# Altium PCB P22296-1-DES-1.2.PcbDoc (part 4 of 5)
Units mm, origin at the board's own origin, x right, y up, seen from the top; angles counter-clockwise.
Board outline 77.01 x 108 mm, 6 copper layers (Top Layer, Layer 1, Layer 2, Layer 3, Layer 4, Bottom Layer), stack 1.821 mm thick; 445 components, 260 nets, 1371 pads, 965 vias.
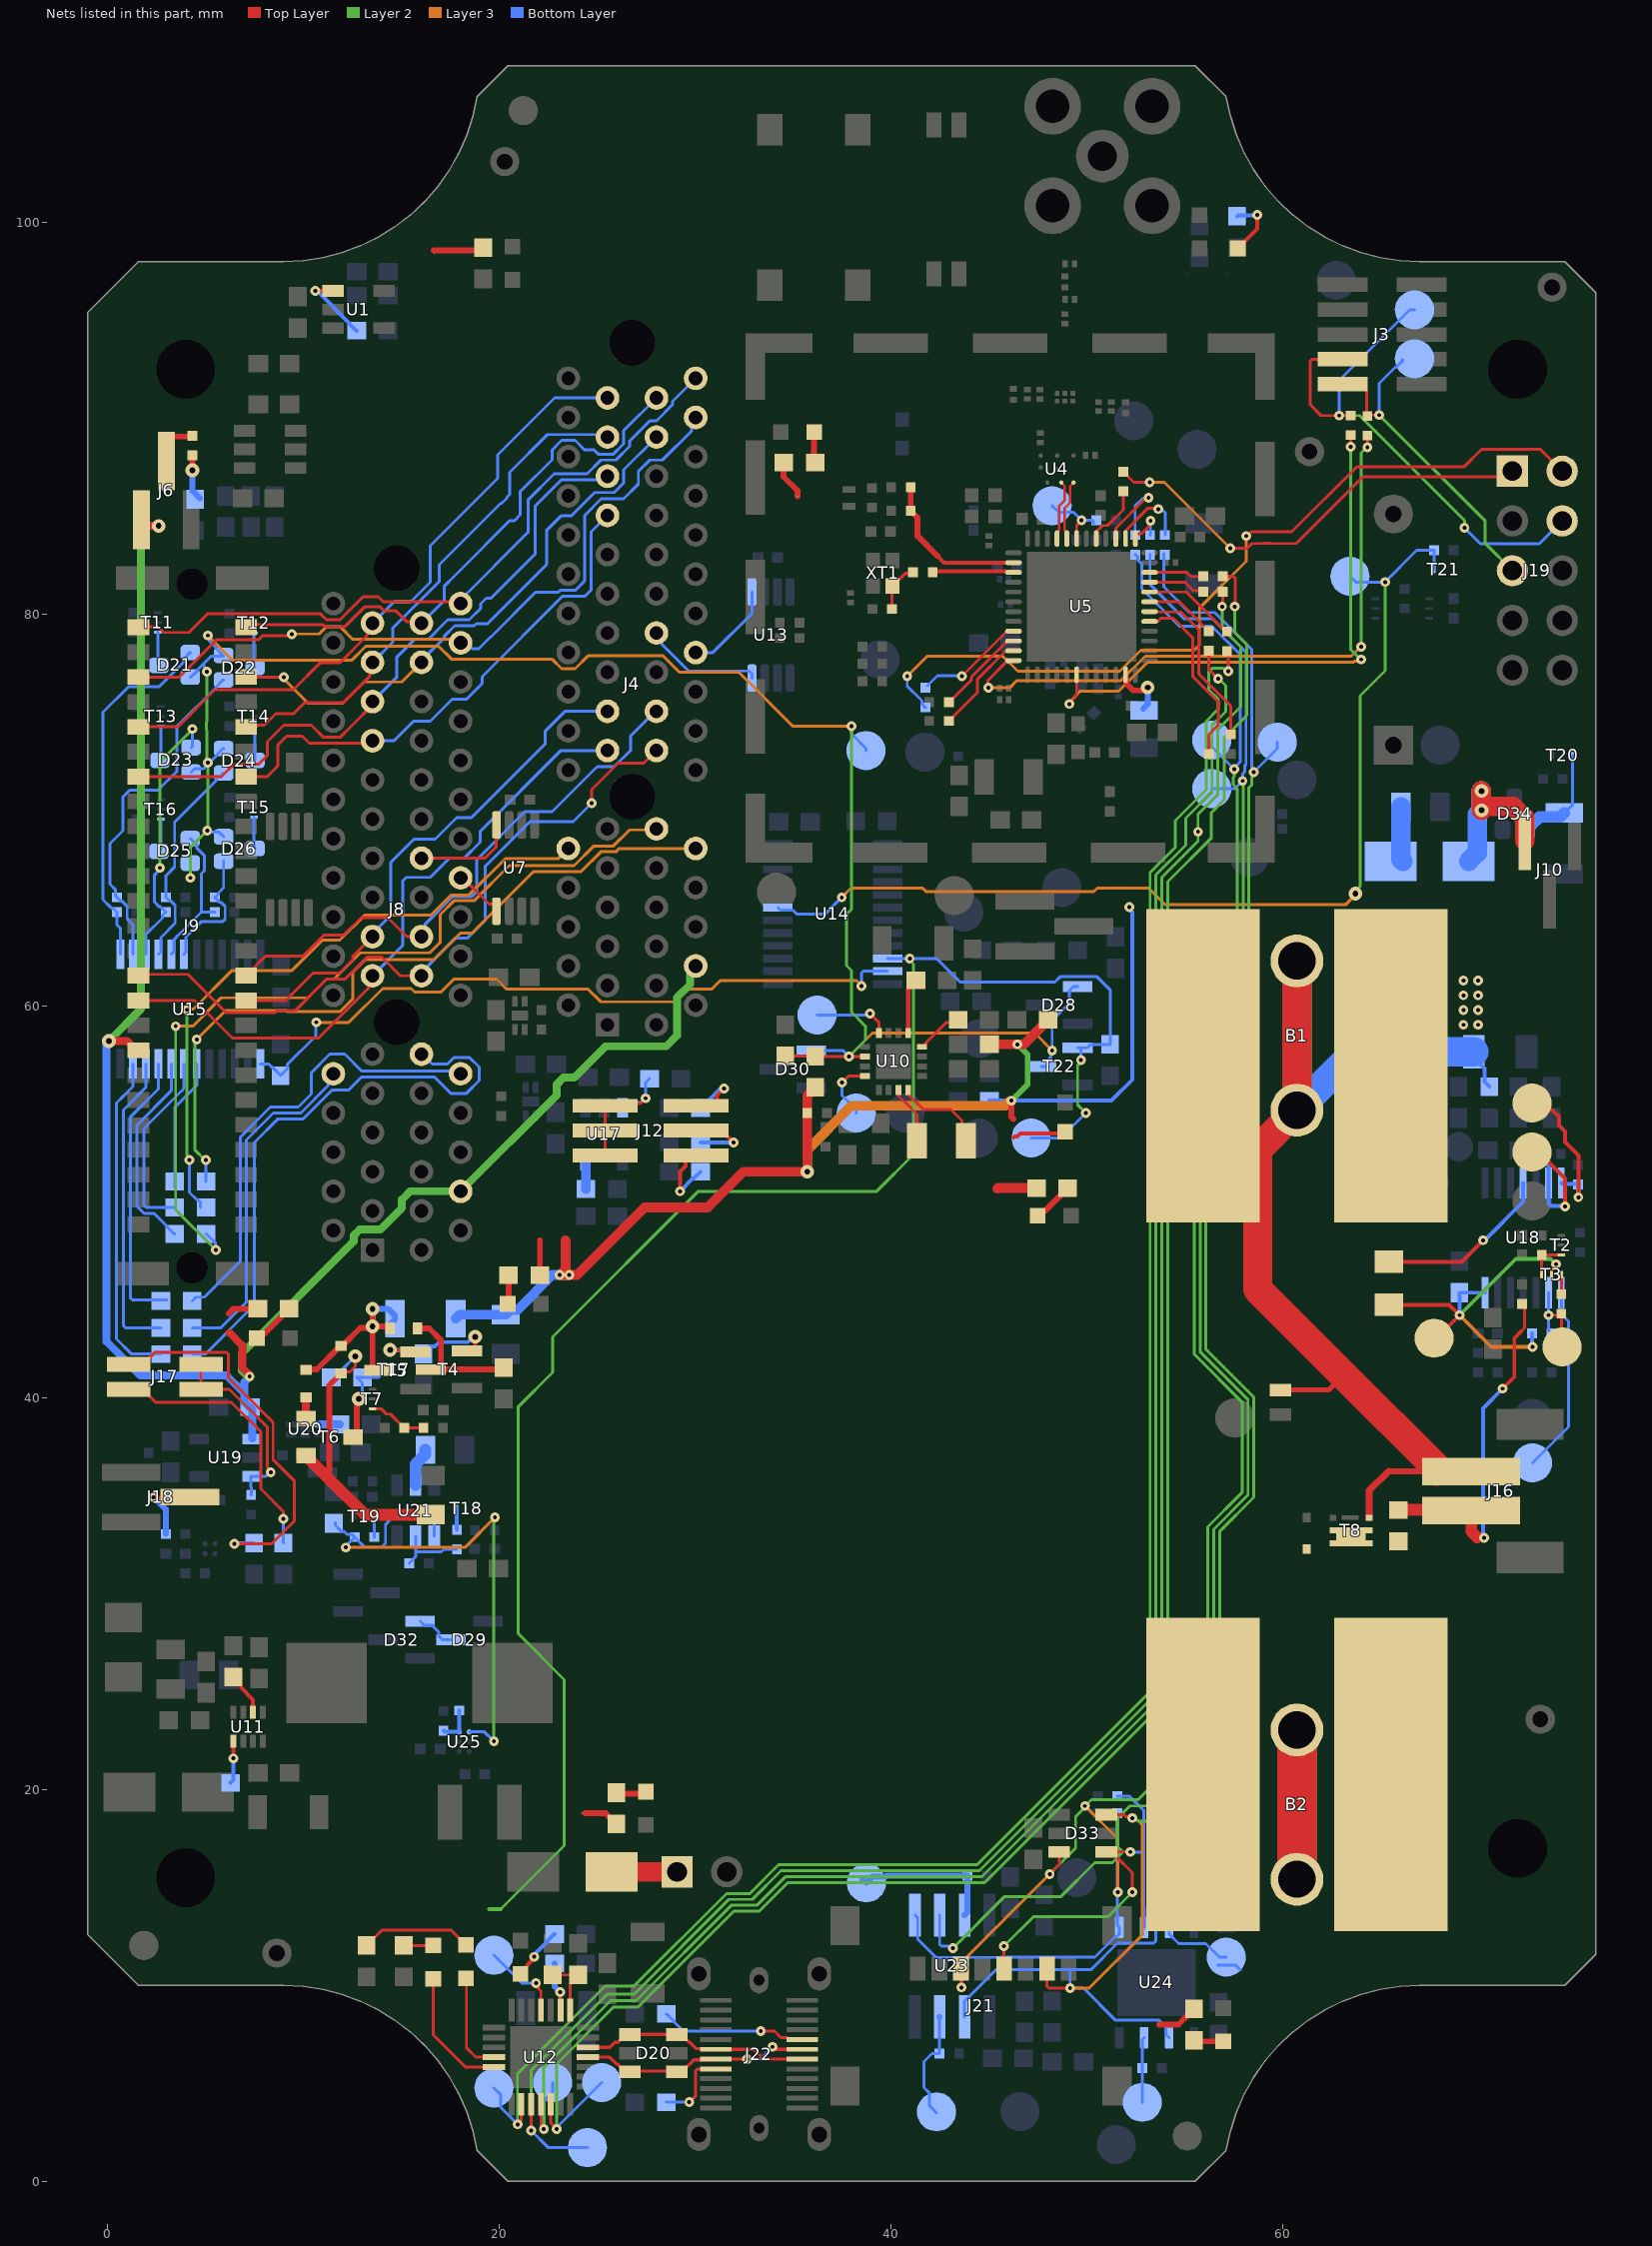
[diagram p8: the nets of this part, all layers, seen from the top]

## Via types
v1: diameter 0.5, hole 0.2, Top Layer to Bottom Layer, tented both sides, 876 vias
v2: diameter 0.7/0.7/0.7/0.7/0.7/0.7 (per signal layer), hole 0.3, Top Layer to Bottom Layer, tented bottom, 83 vias
v3: diameter 0.5, hole 0.2, Top Layer to Bottom Layer, 4 vias
v4: diameter 1, hole 0.5, Top Layer to Bottom Layer, tented bottom, 2 vias

## Nets (pads, with @x,y where several pads share a name; then routed paths per layer and width w, separated by ;. In a path a pad name is that pad's centre, name@x,y a point inside that pad or via, vN(x,y) a via of type N, cw(c..) or ccw(c..) an arc to the next point about the centre after c; other vN are vias at no path point) (continued)
NetD3_C: D3.C R49.2 | length 3.2
  Top Layer w0.2: D3.C@57.716,98.678 58.708,99.669 v1(58.708,100.378)
  Bottom Layer w0.2: R49.2@57.68,100.31 57.736,100.366 58.697,100.366 v1(58.708,100.378)
NetD4_A: D4.A R7.2 | length 1.5
  Top Layer w0.3: R7.2@36.038,87.791 36.088,87.841 D4.A@36.088,89.291
NetD5_A: D5.A R31.2 | length 1.6
  Top Layer w0.3: D5.A@47.505,49.292 47.755,49.542 47.875,49.542 R31.2@48.697,50.364
NetD6_A: D6.A R33.2 | length 1.5
  Top Layer w0.3: D6.A@20.438,44.791 20.488,44.841 R33.2@20.488,46.264
NetD7_A: D7.A R37.1 T4.D | length 6.8
  Top Layer w0.3: D7.A@15.838,43.541 16.438,43.541 17.038,42.941 17.038,41.566 T4.D@16.913,41.441 ; T4.D@16.513,41.441 T4.D@16.913,41.441 ; R37.1@20.238,41.541 20.138,41.441 T4.D@16.913,41.441
NetD7_C: D7.C D8.C D11.C R95.1 T5.D | length 12.3
  Top Layer w0.3: D11.C@10.15,41.416 10.187,41.453 10.699,41.453 11.888,42.641 D8.C@11.938,42.641 11.988,42.641 12.911,43.564 13.461,43.564 v2(13.538,43.641) ; v2(13.538,44.541) v2(13.538,43.641) ; T5.D@13.838,41.405 13.649,41.405 13.538,41.516 v2(13.538,43.641) ; D7.C@14.438,43.541 14.337,43.641 v2(13.538,43.641)
  Bottom Layer w0.3: v2(13.538,43.641) 14.338,43.641 14.688,43.991 R95.1@14.688,44.041 14.688,44.191 14.338,44.541 v2(13.538,44.541) v2(13.538,43.641)
NetD8_A: D8.A R102.2 R138.2 T6.D | length 16.1
  Top Layer w0.15: D8.A@11.938,41.241 12.014,41.318 12.375,41.318 12.656,41.6 v2(12.656,42.118)
  Top Layer w0.3: 11.275,35.903 11.337,35.965 11.337,40.64 11.788,41.091 11.788,41.141 11.888,41.241 D8.A@11.938,41.241
  Top Layer w0.6: T6.D@10.137,37.041 10.237,37.041 10.337,36.941 10.337,36.841 11.275,35.903 13.149,34.029 R138.2@16.513,34.029
  Bottom Layer w0.15: R102.2@11.738,41.199 11.738,41.316 11.838,41.416 11.954,41.416 v2(12.656,42.118)
NetD9_A: D9.A R36.2 | length 2.3
  Top Layer w0.3: D9.A@7.638,43.041 7.888,43.291 8.038,43.291 8.963,44.216 8.963,44.241 9.263,44.541 R36.2@9.288,44.541
NetD11_A: D11.A T6.S | length 1.1
  Top Layer w0.4: T6.S@10.137,38.941 10.137,40.003 D11.A@10.15,40.016
NetD12_C2: D12.C2 F1.1 T8.D
NetD14_A: D14.A R42.2 | length 1.6
  Top Layer w0.3: R42.2@25.988,19.841 25.988,19.791 27.388,19.791 D14.A@27.488,19.891
NetD15_A: D15.A J24.1 | length 3.4
  Top Layer w1: D15.A@25.738,15.8 J24.1@29.088,15.8
NetD16_A: D16.A R122.2 | length 2.6
  Top Layer w0.2: D16.A@21.138,10.741 21.188,10.741 21.438,10.991 21.438,11.041 21.793,11.397 v1(21.793,11.461) v1@21.788,11.456
  Bottom Layer w0.2: v1(21.793,11.461) 21.793,11.572 22.463,12.241 22.463,12.266 22.813,12.616 R122.2@22.838,12.616
NetD17_A: D17.A R46.1 | length 5.7
  Top Layer w0.15: R46.1@13.238,12.041 13.238,12.066 13.613,12.441 13.638,12.441 14.025,12.829 17.55,12.829 D17.A@18.313,12.066
NetD17_C: D17.C U12.18 | length 5.2
  Top Layer w0.15: D17.C@18.313,10.366 18.338,10.341 18.338,6.816 18.812,6.341 U12.18@19.738,6.341
NetD18_A: D18.A R45.1 | length 1.5
  Top Layer w0.15: R45.1@15.138,12.041 D18.A@16.638,12.041
NetD18_C: D18.C U12.19 | length 6.6
  Top Layer w0.15: D18.C@16.638,10.341 16.638,7.475 18.271,5.841 U12.19@19.738,5.841
NetD19_A: D19.A R47.2 | length 1.5
  Top Layer w0.3: R47.2@55.475,7.198 55.525,7.148 D19.A@56.975,7.148
NetD21_A1: D21.A1 R78.1 U15.13 | length 18.6
  Bottom Layer w0.15: U15.13@0.663,62.641 0.663,63.966 0.488,64.141 R78.1@0.488,64.791 0.313,64.966 0.244,64.966 0.144,65.066 -0.218,65.428 -0.218,74.991 1.091,76.3 2.647,76.3 3.363,77.015 3.363,77.017 3.911,77.566 3.911,77.726 4.227,78.041 D21.A1@4.238,78.041
NetD21_C: D21.C T11.D | length 1.7
  Bottom Layer w0.15: T11.D@2.58,79.07 2.58,77.448 D21.C@2.638,77.391
NetD22_A1: D22.A1 R75.1 U15.14 | length 17.8
  Bottom Layer w0.15: U15.14@1.313,62.641 1.313,64.148 1.013,64.448 1.013,65.084 0.731,65.366 0.663,65.366 0.425,65.604 0.425,65.928 0.138,66.215 0.138,68.289 0.8,68.952 0.8,70.672 1.144,71.016 2.588,71.016 3.563,71.991 3.563,74.266 5.537,76.24 5.537,76.273 5.905,76.641 D22.A1@5.938,76.641
NetD22_C: D22.C T12.D | length 1.8
  Bottom Layer w0.15: T12.D@7.488,79.041 7.488,77.341 D22.C@7.538,77.291
NetD23_A1: D23.A1 R77.1 U15.15 | length 14
  Layer 2 w0.15: v1(2.688,67.05) 2.688,72.464 4.338,74.114 v1(4.338,74.145)
  Bottom Layer w0.15: U15.15@1.963,62.641 1.963,63.644 2.813,64.494 2.813,64.616 R77.1@2.988,64.791 2.713,65.066 2.644,65.066 2.413,65.298 2.413,66.698 2.688,66.973 v1(2.688,67.05) ; D23.A1@4.288,73.191 4.338,73.241 v1(4.338,74.145)
NetD23_C: D23.C T13.D | length 1.8
  Bottom Layer w0.15: D23.C@2.688,72.541 2.738,72.591 T13.D@2.738,74.291
NetD24_A1: D24.A1 R74.1 U15.16 | length 11.1
  Bottom Layer w0.15: U15.16@2.613,62.641 2.728,62.757 2.728,63.493 3.463,64.228 3.463,65.134 3.331,65.266 3.231,65.366 3.163,65.366 R74.1@2.988,65.541 2.988,66.648 3.438,67.098 3.438,69.391 5.537,71.49 5.537,71.523 5.905,71.891 D24.A1@5.938,71.891
NetD24_C: D24.C T14.D | length 1.8
  Bottom Layer w0.15: T14.D@7.488,74.291 7.538,74.291 D24.C@7.538,72.541
NetD25_A1: D25.A1 R76.1 U15.17 | length 7.6
  Bottom Layer w0.15: U15.17@3.263,62.641 3.388,62.766 3.388,63.373 3.488,63.473 3.488,63.484 3.619,63.616 3.631,63.616 4.806,64.791 ; D25.A1@4.238,68.541 4.248,68.541 4.564,68.226 4.564,68.066 4.714,67.916 4.963,67.667 4.963,66.915 4.806,66.758 4.806,64.791 ; R76.1@5.488,64.791 4.806,64.791
NetD25_C: D25.C T16.D | length 1.7
  Bottom Layer w0.15: D25.C@2.638,67.891 2.738,67.991 T16.D@2.738,69.541
NetD26_A1: D26.A1 R73.1 U15.18 | length 6.7
  Bottom Layer w0.15: U15.18@3.913,62.641 4.009,62.738 4.009,63.513 4.813,64.316 5.906,64.316 6.013,64.423 6.013,65.084 5.806,65.291 5.738,65.291 R73.1@5.488,65.541 5.663,65.716 5.663,65.767 5.938,66.042 D26.A1@5.938,67.391
NetD26_C: D26.C T15.D | length 1.6
  Bottom Layer w0.15: T15.D@7.488,69.645 7.488,68.091 D26.C@7.538,68.041
NetD27_A: D27.A J10.1 | length 8.5
  Top Layer w1: v2(70.163,70.973) v2(70.163,69.99) 70.351,70.179 71.782,70.179 72.368,69.594 J10.1@72.368,68.441
  Bottom Layer w1: D27.A@69.513,67.387 69.948,67.822 69.948,69.776 v2(70.163,69.99) v2(70.163,70.973)
NetD27_C: D27.C R67.1 | length 2.8
  Bottom Layer w1: R67.1@66.042,70.157 66.042,67.482 D27.C@66.138,67.387
NetD29_C: D29.C D32.A | length 2.1
  Bottom Layer w0.15: D32.A@15.97,28.595 16.17,28.395 16.645,28.395 16.645,28.326 16.913,28.057 16.913,27.845 17.113,27.645 D29.C@17.538,27.645
NetD34_A1: D34.A1 R66.1 T20.D | length 5.4
  Bottom Layer w0.15: R66.1@74.388,69.848 74.798,70.259 74.798,71.244 74.803,71.249 T20.D@74.803,72.791
  Bottom Layer w0.6: D34.A1@72.488,69.007 72.488,69.107 72.588,69.207 72.688,69.207 73.129,69.648 74.188,69.648 R66.1@74.388,69.848
NetJ2_1: J2.1 R1.1 | length 2.6
  Top Layer w0.3: 16.672,98.569 19.039,98.569 R1.1@19.189,98.719
NetJ6_2: J6.2 R5.1 | length 2.5
  Top Layer w0.3: J6.2@3.013,87.816 3.013,88.891 3.188,89.066 4.295,89.066 R5.1@4.343,89.114
NetJ7_1: J7.1 R7.1 | length 2.1
  Top Layer w0.3: R7.1@34.438,87.791 34.528,87.7 34.528,87.017 35.238,86.308 J7.1@35.238,86.016
NetJ12_1: J12.1 J12.3 J12.5 R85.2 U17.3 | length 7.3
  Top Layer w0.15: J12.5@25.413,52.371 J12.3@25.413,53.641 J12.1@25.413,54.911 25.517,55.016 27.212,55.016 v1(27.488,55.291)
  Bottom Layer w0.15: U17.3@26.313,54.808 26.313,54.879 26.513,55.079 27.225,55.079 27.437,55.291 v1(27.488,55.291) 27.488,56.091 R85.2@27.688,56.291
NetJ12_2: J12.2 R89.2 | length 3.4
  Top Layer w0.2: J12.2@30.063,54.911 30.89,54.911 31.14,55.161 31.14,55.444 v1(31.488,55.791)
  Bottom Layer w0.2: R89.2@30.388,54.866 31.255,55.734 31.43,55.734 v1(31.488,55.791)
NetJ12_4: J12.4 R90.2 | length 3.8
  Top Layer w0.2: J12.4@30.063,53.641 31.375,53.641 31.625,53.391 31.625,53.382 v1(31.968,53.039)
  Bottom Layer w0.2: R90.2@30.288,53.041 31.966,53.041 v1(31.968,53.039)
NetJ12_6: J12.6 R93.2 | length 3.8
  Top Layer w0.2: v1(29.238,50.541) 29.238,51.546 29.53,51.838 29.53,52.121 29.78,52.371 J12.6@30.063,52.371
  Bottom Layer w0.2: v1(29.238,50.541) 29.888,51.191 29.938,51.191 R93.2@30.288,51.541
NetJ13_1: J13.1 R31.1 | length 2
  Top Layer w0.5: J13.1@45.444,50.673 45.473,50.702 R31.1@47.438,50.702
NetJ14_1: J14.1 R33.1 | length 1.8
  Top Layer w0.3: R33.1@22.088,46.264 22.088,48.041
NetJ15_1: J15.1 R36.1 | length 1.6
  Top Layer w0.3: 6.2,44.304 6.438,44.541 R36.1@7.688,44.541
NetJ17_1: J17.1 R111.2 | length 19.5
  Top Layer w0.15: J17.1@1.388,41.701 1.808,41.701 2.413,42.306 6.1,42.306 6.188,42.218 6.188,41.016 8.463,38.741 8.463,36.844 9.537,35.77 9.537,33.694 8.384,32.541 v1(6.488,32.541)
  Bottom Layer w0.15: v1(6.488,32.541) 6.538,32.591 R111.2@7.488,32.591
NetJ17_2: J17.2 J17.4 R108.2 U19.3 | length 9.5
  Top Layer w0.15: J17.4@4.788,40.431 J17.2@4.788,41.701 ; J17.4@5.088,40.431 6.238,40.431 8.163,38.506 8.163,36.455 8.338,36.28 v1(8.338,36.192)
  Bottom Layer w0.15: R108.2@7.338,35.041 7.351,35.055 7.351,35.428 7.339,35.441 U19.3@7.339,35.991 ; U19.3@7.388,35.991 8.088,35.991 8.289,36.192 v1(8.338,36.192)
NetJ17_3: J17.3 R110.2 | length 13.5
  Top Layer w0.15: J17.3@1.388,40.431 1.808,40.431 2.188,40.051 2.188,40.047 2.463,39.772 6.332,39.772 7.835,38.269 7.835,35.347 8.988,34.194 v1(8.988,33.816)
  Bottom Layer w0.15: R110.2@8.988,32.591 v1(8.988,33.816)
NetJ18_2: J18.2 R109.1 | length 4
  Top Layer w0.15: v1(2.363,34.925) 4.21,34.925 J18.2@4.213,34.922
  Bottom Layer w0.3: v1(2.363,34.925) 2.988,34.3 R109.1@2.988,33.041
NetJ20_1: J20.1 R42.1 | length 1.8
  Top Layer w0.3: 24.388,18.791 25.438,18.791 25.663,18.566 25.688,18.566 25.988,18.266 R42.1@25.988,18.241
NetJ22_A5: J22.A5 R130.2 | length 4
  Top Layer w0.15: v1(29.713,4.041) 30.042,4.37 30.042,5.653 30.13,5.741 J22.A5@31.073,5.741
  Bottom Layer w0.15: R130.2@28.538,4.041 v1(29.713,4.041)
NetJ22_B5: J22.B5 R124.2 | length 7.5
  Top Layer w0.15: v1(33.363,7.666) 34.063,7.666 34.388,7.341 34.698,7.341 34.798,7.241 J22.B5@35.473,7.241
  Bottom Layer w0.15: R124.2@28.538,8.541 28.563,8.541 28.938,8.166 28.938,8.141 29.413,7.666 v1(33.363,7.666)
NetJ23_1: J23.1 R47.1 | length 2.1
  Top Layer w0.3: J23.1@53.7,7.998 54.675,7.998 55.15,8.473 55.175,8.473 55.475,8.773 R47.1@55.475,8.798
NetJ27_1: J27.1 T1.1 | length 2.8
  Top Layer w0.2: J27.1@46.264,53.274 46.335,53.345 46.467,53.345 46.613,53.491 48.817,53.491 T1.1@48.9,53.574
NetL7_2: L7.2 U5.47 | length 2.9
  Top Layer w0.3: U5.47@51.998,76.893 51.998,76.643 52.023,76.618 52.023,76.467 52.382,76.108 52.856,76.108 53.006,76.258 v2(53.114,76.258)
  Bottom Layer w0.3: L7.2@52.889,75.183 53.114,75.408 v2(53.114,76.258)
NetR5_2: R5.2 R146.1 | length 2.4
  Top Layer w0.3: v2(4.343,87.347) R5.2@4.343,88.114
  Bottom Layer w0.3: v2(4.343,87.347) 4.343,86.305 R146.1@4.738,85.911
NetR10_1: R10.1 R131.2 XT1.1 | length 2.6
  Top Layer w0.15: R131.2@40.063,80.261 40.063,81.416 XT1.1@40.088,81.441
  Top Layer w0.17: XT1.1@40.088,81.441 40.088,81.491 40.353,81.756 40.403,81.756 40.732,82.086 41.082,82.086 R10.1@41.138,82.141
NetR11_2: R11.2 U5.10 | length 2.8
  Top Layer w0.15: U5.10@53.214,82.133 55.113,82.133 55.321,81.925 55.938,81.925 R11.2@55.957,81.944
NetR12_2: R12.2 U5.9 | length 3
  Top Layer w0.15: U5.9@53.214,81.633 55.029,81.633 55.451,81.211 R12.2@55.842,81.211 ; R12.2@55.842,81.269 R12.2@55.957,81.153
NetR16_2: R16.2 U5.7 | length 3.6
  Top Layer w0.15: U5.7@53.214,80.633 54.738,80.633 R16.2@56.238,79.133
NetR17_2: R17.2 U5.8 | length 4.8
  Top Layer w0.15: U5.8@53.214,81.133 55.089,81.133 56.929,79.292 56.988,79.292 R17.2@57.163,79.117
NetR21_2: R21.2 U10.5 | length 2.9
  Top Layer w0.25: U10.5@40.888,58.616 40.888,60.845 40.938,60.895 40.938,60.991 41.263,61.316 R21.2@41.288,61.316
NetR32_2: R32.2 T2.G T3.D | length 2
  Top Layer w0.15: T3.D@73.238,46.291 R32.2@73.238,47.291 73.768,47.291 73.773,47.295 74.113,47.295 74.118,47.291 T2.G@74.238,47.291
NetR35_1: R35.1 R97.1 TS11.1 U18.2 | length 4.2
  Top Layer w0.15: v1(73.588,44.216) 74.163,44.216 R35.1@74.238,44.291 TS11.1@74.238,42.932
  Bottom Layer w0.15: U18.2@73.588,45.366 v1(73.588,44.216) 73.588,43.441 R97.1@73.738,43.291
NetR35_2: R35.2 T3.G | length 1
  Top Layer w0.15: R35.2@74.238,45.291 T3.G@74.238,46.291
NetR38_2: R38.2 R139.1 T7.G | length 3
  Top Layer w0.15: T7.G@13.538,39.441 13.976,39.441 14.251,39.166 14.463,39.166 R139.1@15.163,38.466 R38.2@16.142,38.466
NetR40_1: R40.1 U11.6 | length 2.2
  Top Layer w0.2: R40.1@6.438,25.741 6.788,25.391 6.788,25.241 7.438,24.591 U11.6@7.438,23.941
NetR43_2: R43.2 R44.1 U12.8 | length 3.3
  Top Layer w0.15: R43.2@22.738,10.541 R44.1@24.038,10.541 24.038,10.516 23.638,10.116 U12.8@23.638,8.741
NetR48_1: R48.1 U1.1 | length 3.9
  Top Layer w0.2: v1(10.626,96.503) U1.1@11.526,96.503
  Bottom Layer w0.2: v1(10.626,96.503) 10.683,96.446 10.766,96.446 12.363,94.849 12.363,94.824 12.713,94.474 R48.1@12.738,94.474
NetR51_2: R51.2 U5.17 | length 3.2
  Top Layer w0.15: U5.17@50.498,83.843 50.498,84.217 50.809,84.528 51.075,84.528 51.88,85.333 R51.2@51.88,86.269
NetR53_2: R53.2 TS17.1 U5.19 | length 3.6
  Top Layer w0.15: U5.19@49.489,83.858 49.489,84.528 49.738,84.777 v1(49.738,84.791)
  Bottom Layer w0.15: TS17.1@48.238,85.541 48.579,85.2 49.329,85.2 v1(49.738,84.791) 50.313,84.791 50.348,84.755 R53.2@50.348,84.652
NetR54_2: R54.2 U5.14 | length 4
  Top Layer w0.15: U5.14@51.989,83.858 52.008,83.877 52.008,84.283 53.141,85.416 v1@53.613,85.416
  Bottom Layer w0.15: v1(53.663,85.366) 53.73,85.299 53.882,85.299 54.013,85.169 R54.2@54.013,84.066
NetR55_2: R55.2 U5.13 | length 2.1
  Top Layer w0.15: U5.13@52.489,83.858 52.489,84.059 52.535,84.106 52.801,84.106 53.176,84.48 53.176,84.78 v1@53.213,84.816
  Bottom Layer w0.15: R55.2@53.238,84.041 53.263,84.066 v1(53.263,84.766)
NetR56_2: R56.2 U5.15 | length 5.2
  Top Layer w0.15: U5.15@51.489,83.858 51.489,84.392 52.971,85.874 53.096,85.874 v1(53.163,85.941)
  Bottom Layer w0.15: R56.2@52.471,84.088 52.471,85.53 52.837,85.895 53.117,85.895 v1(53.163,85.941)
NetR61_2: R61.2 U5.33 | length 5.6
  Top Layer w0.15: v1(43.638,76.842) 45.88,79.083 45.887,79.083 45.937,79.133 U5.33@46.264,79.133
  Bottom Layer w0.15: R61.2@41.873,76.351 42.377,76.855 43.625,76.855 v1(43.638,76.842)
NetR91_1: R91.1 TS8.1 U18.13 | length 7.3
  Top Layer w0.2: TS8.1@72.738,52.541 73.073,52.541 74.422,51.192 v1(74.422,49.766)
  Bottom Layer w0.2: R91.1@73.212,52.447 73.588,52.072 73.588,49.916 73.705,49.798 74.39,49.798 v1(74.422,49.766)
NetR92_1: R92.1 TS7.1 U18.14 | length 7.8
  Top Layer w0.2: TS7.1@72.738,55.041 73.082,54.697 73.774,54.697 74.11,54.361 74.11,53.898 74.419,53.588 74.419,53.054 75.106,52.367 v1(75.106,50.234)
  Bottom Layer w0.2: U18.14@74.238,50.966 74.296,50.907 R92.1@75.072,50.907 ; R92.1@75.089,50.89 R92.1@75.072,50.907 ; v1(75.106,50.234) 75.106,50.873 R92.1@75.072,50.907
NetR94_2: R94.2 U17.5 | length 1.5
  Bottom Layer w0.5: U17.5@24.413,52.108 24.438,52.084 R94.2@24.438,50.662
NetR98_2: R98.2 T4.S T5.S | length 7.3
  Top Layer w0.2: v2(14.438,42.441) 14.449,42.43 15.649,42.43 T5.S@15.738,42.341 ; T4.S@18.338,42.366 18.588,42.366 18.788,42.566 v2(18.788,43.116)
  Top Layer w0.5: T5.S@15.738,42.341 T5.S@15.763,42.366 ; T4.S@18.338,42.366 T4.S@18.363,42.391
  Bottom Layer w0.2: v2(14.438,42.441) 15.938,42.441 R98.2@16.138,42.241 16.138,42.266 16.488,42.616 16.712,42.616 16.938,42.841 18.391,42.841 18.666,43.116 v2(18.788,43.116)
NetR102_1: R102.1 T6.G T17.D | length 5
  Top Layer w0.15: T6.G@12.537,37.991 T6.G@12.74,38.194
  Top Layer w0.3: T6.G@12.74,38.194 12.74,39.729 12.843,39.832 v2(12.843,39.94)
  Bottom Layer w0.15: v2(12.843,39.94) 12.843,40.089 13.024,40.27 13.024,40.755 12.738,41.041 13.858,41.041 14.138,41.321 T17.D@14.138,41.441
NetR103_2: R103.2 U20.3 | length 1
  Bottom Layer w0.4: U20.3@10.834,38.641 R103.2@11.875,38.641
NetR104_1: R104.1 U21.5 | length 2
  Bottom Layer w0.6: U21.5@15.738,35.541 15.738,36.616 16.238,37.116 R104.1@16.238,37.341
NetR107_2: R107.2 R141.1 U21.1 U25.C2 | length 29.5
  Layer 2 w0.15: v1(19.738,22.461) 19.738,33.839 v1(19.789,33.891)
  Layer 3 w0.15: v1(12.167,32.357) 18.255,32.357 v1(19.789,33.891)
  Bottom Layer w0.15: R107.2@11.638,33.616 11.638,33.491 11.938,33.191 12.063,33.191 12.227,33.026 12.488,33.026 R141.1@12.629,32.885 R141.1@12.663,32.852 ; v1(12.167,32.357) 12.167,32.423 12.596,32.852 R141.1@12.663,32.852 ; U21.1@16.688,32.941 16.688,33.728 16.6,33.816 14.494,33.816 14.203,33.525 14.203,32.569 14.012,32.378 13.137,32.378 R141.1@12.663,32.852 ; U25.C2@18.473,22.942 19.257,22.942 v1(19.738,22.461)
NetR113_2: R113.2 R140.1 U21.2 | length 3.7
  Bottom Layer w0.15: R113.2@15.413,31.551 15.738,31.876 15.738,32.136 ; U21.2@15.738,32.941 15.738,32.136 ; R140.1@17.85,32.262 17.177,32.262 17.051,32.136 15.738,32.136
NetR115_2: R115.2 U11.1 | length 2.2
  Top Layer w0.2: v1(6.438,21.591) U11.1@6.438,22.461
  Bottom Layer w0.2: R115.2@6.288,20.341 6.438,20.491 v1(6.438,21.591)
NetR119_1: R119.1 TS39.1 U23.7 | length 7.4
  Bottom Layer w0.3: TS39.1@38.564,15.418 TS39.1@38.566,15.418 ; TS39.1@38.75,15.234 39.075,15.56 39.738,15.56 39.776,15.598 R119.1@43.913,15.598 43.913,13.743 U23.7@43.768,13.598
NetR121_1: R121.1 TS40.1 U24.7 | length 6.5
  Bottom Layer w0.15: R121.1@54.838,14.232 54.255,13.649 54.255,13.009 U24.7@54.208,12.962 54.208,12.632 54.699,12.141 56.078,12.141 56.778,11.441 TS40.1@57.125,11.441 ; TS40.1@56.701,11.037 57.596,11.037 TS40.1@57.838,10.795
NetR123_1: R123.1 U12.9 | length 2.5
  Top Layer w0.15: v1(23.113,9.666) 23.125,9.653 23.125,8.753 U12.9@23.138,8.741
  Bottom Layer w0.3: R123.1@22.838,11.123 22.838,9.942 v1(23.113,9.666)
NetR127_1: R127.1 TS45.1 U24.3 | length 3.3
  Bottom Layer w0.15: TS45.1@52.838,4.032 R127.1@52.838,5.782 52.838,7.232 U24.3@52.938,7.332
NetR128_1: R128.1 TS46.1 U23.3 | length 5.7
  Bottom Layer w0.15: TS46.1@42.338,3.498 41.984,3.852 41.984,4.497 41.693,4.788 41.693,6.11 42.101,6.518 42.483,6.518 R128.1@42.488,6.523 U23.3@42.488,8.388
  Bottom Layer w0.3: U23.3@42.488,8.388 U23.3@42.498,8.398
NetR132_2: R132.2 U5.34 | length 4.7
  Top Layer w0.15: R132.2@42.963,75.511 43.138,75.686 43.155,75.686 44.113,76.644 44.113,76.794 45.952,78.633 U5.34@46.264,78.633
NetR133_2: R133.2 U5.35 | length 5.2
  Top Layer w0.15: R133.2@42.915,74.499 44.413,75.997 44.413,76.67 45.857,78.114 46.245,78.114 U5.35@46.264,78.133
NetR134_2: R134.2 U5.36 | length 32.9
  Top Layer w0.15: v1(44.978,76.248) 44.968,76.259 44.968,76.631 45.97,77.633 U5.36@46.264,77.633 ; v1(64.338,88.516) R134.2@64.338,89.116
  Layer 2 w0.15: v1(64.013,78.341) 64.013,88.241 64.288,88.516 v1(64.338,88.516)
  Layer 3 w0.15: v1(44.978,76.248) 44.985,76.241 46.066,76.241 46.441,76.616 51.751,76.616 52.993,77.858 63.508,77.858 63.991,78.341 v1(64.013,78.341)
NetR135_2: R135.2 U5.42 | length 29.2
  Top Layer w0.15: v1(49.113,75.416) 49.113,75.461 49.417,75.765 49.417,75.796 49.489,75.869 U5.42@49.489,76.908 ; v1(63.488,88.541) R135.2@63.488,89.141
  Layer 2 w0.15: v1(63.488,88.541) 63.488,78.194 63.991,77.691 v1(64.013,77.691)
  Layer 3 w0.15: v1(49.113,75.416) 49.113,75.511 49.68,76.078 51.637,76.078 53.117,77.558 63.632,77.558 63.667,77.593 63.75,77.593 63.781,77.624 63.946,77.624 v1(64.013,77.691)
NetR136_2: R136.2 U5.5 | length 9.3
  Top Layer w0.15: U5.5@53.214,79.633 53.233,79.652 53.655,79.652 53.793,79.791 54.419,79.791 55.411,78.798 55.411,76.839 56.713,75.538 56.713,74.331 56.238,73.856 R136.2@56.238,72.864
NetR137_2: R137.2 U5.6 | length 8.9
  Top Layer w0.15: U5.6@53.214,80.133 53.232,80.114 54.807,80.114 55.721,79.201 55.721,76.954 57.363,75.311 R137.2@57.363,73.864
NetR140_2: R140.2 T18.D | length 1.1